# KiCad board OpenPLC_Hardware.kicad_pcb (continued)
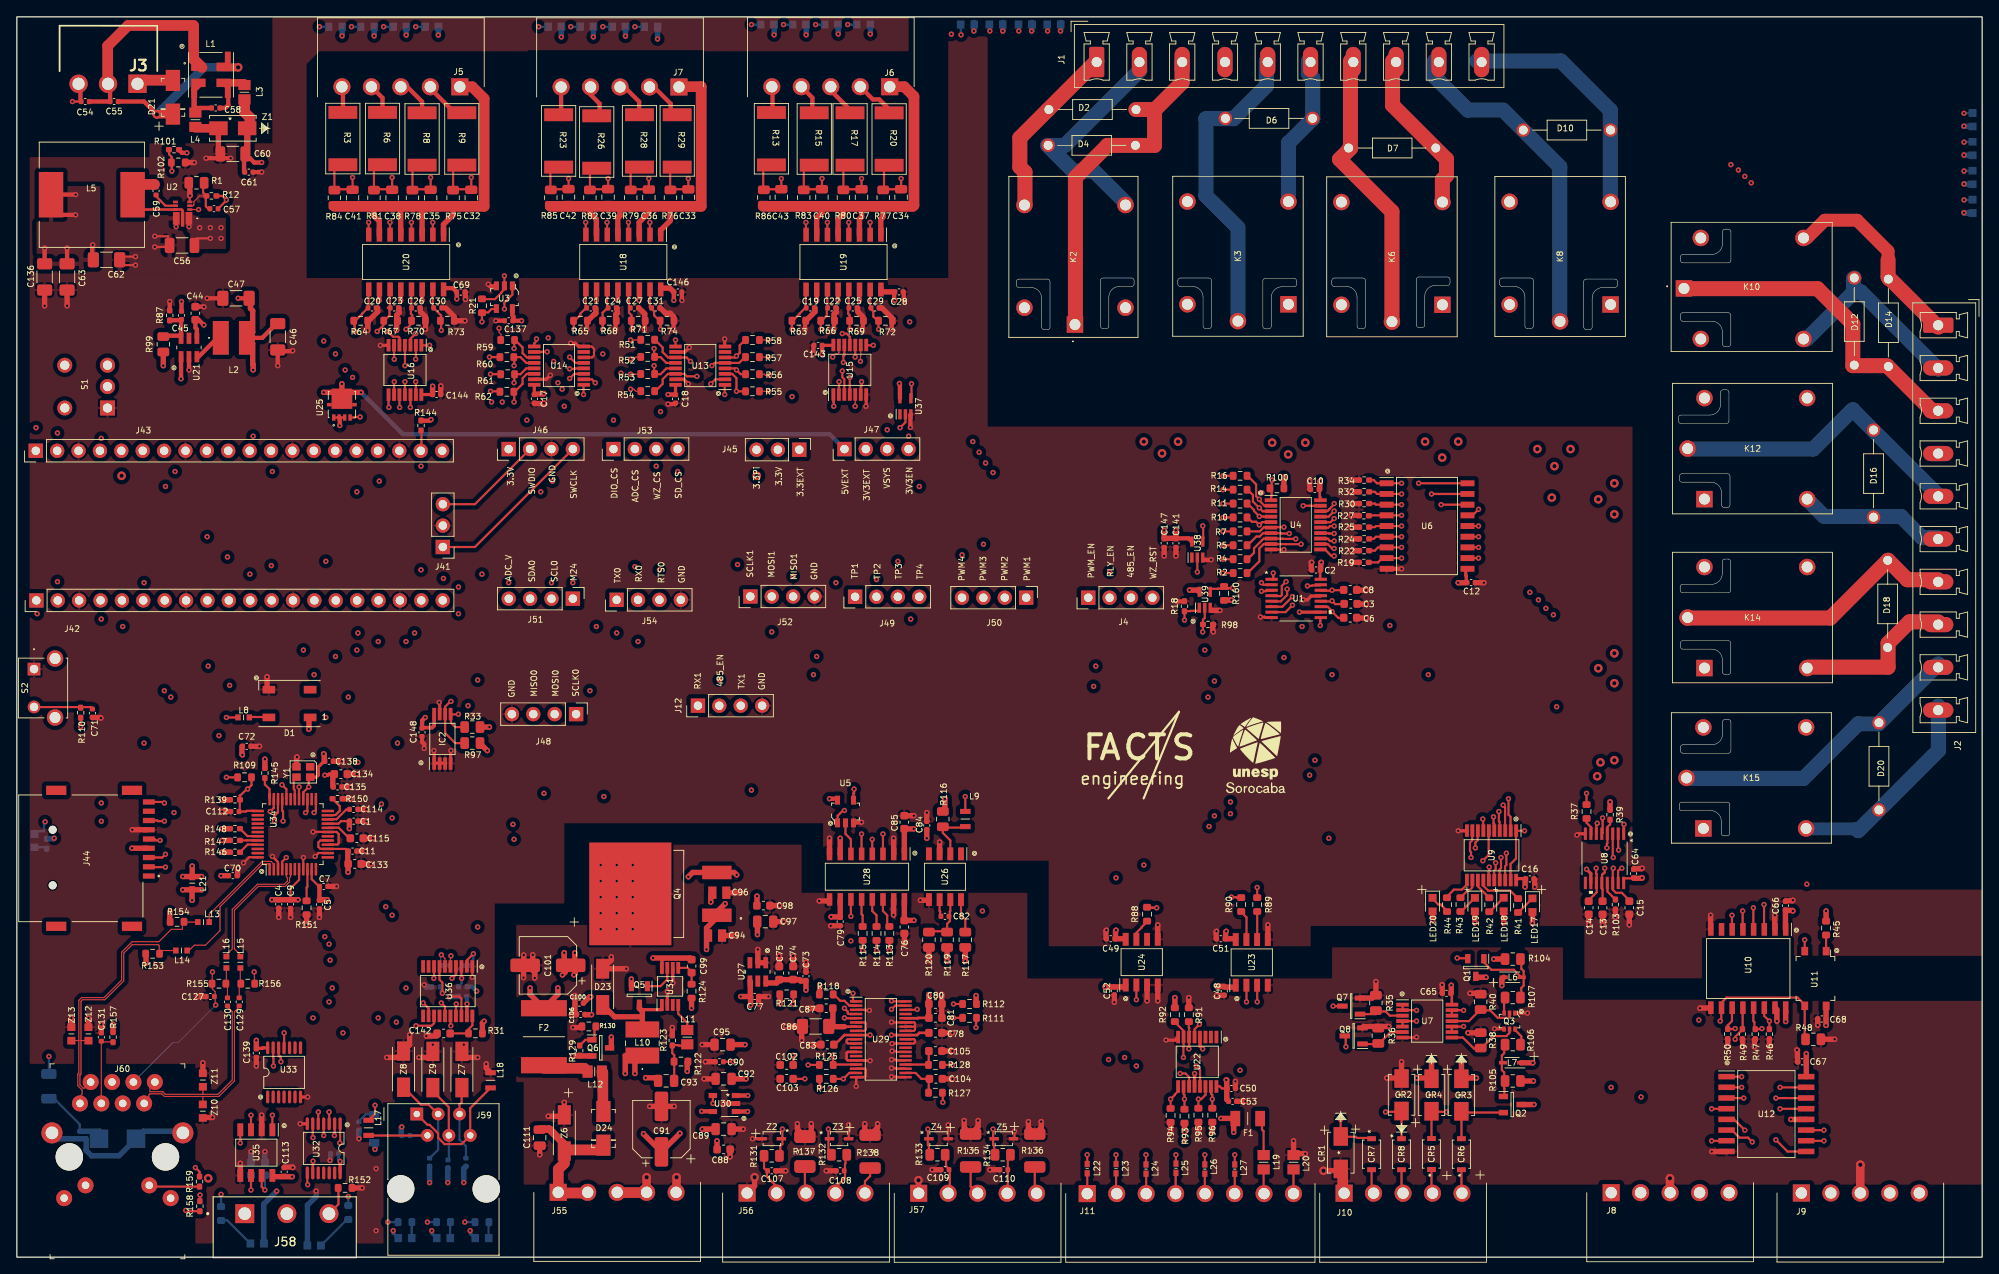
[diagram p0: board, top side]
## Footprints (pads in the part's own frame, mm; a bottom-side part is the same pattern mirrored in y, then rotated) (continued)
SOP65P640X120-20N
  rect 1.475x0.45 smd: 1(-2.938,2.925) 2(-2.938,2.275) 3(-2.938,1.625) 4(-2.938,0.975) 5(-2.938,0.325) 6(-2.938,-0.325) 7(-2.938,-0.975) 8(-2.938,-1.625) 9(-2.938,-2.275) 10(-2.938,-2.925) 11(2.938,-2.925) 12(2.938,-2.275) 13(2.938,-1.625) 14(2.938,-0.975) 15(2.938,-0.325) 16(2.938,0.325) 17(2.938,0.975) 18(2.938,1.625) 19(2.938,2.275) 20(2.938,2.925)
SOT65P210X110-5N
  rect 1.2x0.4 smd: 1(-0.95,0.65) 2(-0.95,0) 3(-0.95,-0.65) 4(0.95,-0.65) 5(0.95,0.65)
SOT95P237X112-3N
  rect 1.2x0.6 smd: 1(-1.1,0.95) 2(-1.1,-0.95) 3(1.1,0)
SOT95P280X100-6N
  rect 1.321x0.559 smd: 1(-1.092,0.94) 2(-1.092,0) 3(-1.092,-0.94) 4(1.092,-0.94) 5(1.092,0) 6(1.092,0.94)
SOT96P237X111-3N
  rect 1.25x0.6 smd: 1(-1.05,0.955) 2(-1.05,-0.955) 3(1.05,0)
SOT96P240X100-3N
  rect 1.1x0.65 smd: 1(-1.05,0.96) 2(-1.05,-0.96) 3(1.05,0)
SOT96P240X110-3N
  rect 1.1x0.65 smd: 1(-1.05,0.96) 2(-1.05,-0.96) 3(1.05,0)
SOT-363
  rect 0.42x0.6 smd: 1(-0.65,-0.95) 2(0,-0.95) 3(0.65,-0.95) 4(0.65,0.95) 5(0,0.95) 6(-0.65,0.95)
SOT-753
  rect 0.6x1.05 smd: 1(-0.95,-1.35) 2(0,-1.35) 3(0.95,-1.35) 4(0.95,1.35) 5(-0.95,1.35)
SP4022-01FTG-C
  rect 1.118x0.406 smd: 1(-1.143,0) 2(1.143,0)
TE_796644-3
  rect 2.25x2.25 hole 1.5: 1(-4.75,4)
  round 2.25 hole 1.5: 2(0.25,4) 3(5.25,4)
TL1105RF250Q
  rect 1.5x1.5 hole 1: 1(0,0)
  round 1.5 hole 1: 2(4.5,0)
  round 1.95 hole 1.3: MH1(-1.25,2.5) MH2(5.75,2.5)
Toggle_Switch_200MSP2T3B2M6QE
  rect 1.778x1.778 hole 1.092: 1(0,0)
  round 1.778 hole 1.092: 2(2.54,0) 3(5.08,0) 4(0,5.08) 4(5.08,5.08)
TRANS_STL9P3LLH6
  rect 0.75x0.4 smd: 1(-1.525,0.975) 2(-1.525,0.325) 3(-1.525,-0.325) 4(-1.525,-0.975)
  rect 2.4x2.45 smd: 5(0.7,0)
  rect 0.4x0.53 smd: 5_1(0,1.49) 5_2(0,-1.49)
VLS4015CX100MH
  rect 1.9x4 smd: 1(-1.55,0) 2(1.55,0)
VLS4020CX
  rect 1.9x4 smd: 1(-1.55,0) 2(1.55,0)
WF25P302JTL
  rect 1.524x3.429 smd: 1(-2.985,0) 2(3.239,0)

## Nets
+3.3V: C2.1 C10.1 C16.1 C17.1 C18.1 C28.2 C49.1 C51.1 C64.1 C66.1 C69.2 C70.1 C72.1 C84.1 C85.1 C113.1 C117.1 C118.1 C134.1 C135.1 C137.2 C138.2 C139.1 C140.1 C141.1 C143.1 C144.1 C146.1 C147.1 C148.1 D1.1 IC2.8 J44.P4 J45.2 J46.1 J60.L2 J60.L4 L21.1 LED2.2 LED3.2 LED6.2 LED8.2 LED10.2 LED11.2 LED14.2 LED15.2 LED17.2 LED18.2 LED19.2 LED20.2 LED21.2 LED22.2 LED23.2 LED24.2 LED25.2 LED26.2 LED27.2 LED28.2 LED29.2 LED30.2 LED31.2 LED32.2 LED35.1 R31.1 R33.1 R39.1 R45.1 R97.1 R100.2 R108.1 R116.1 R139.1 R144.1 R145.1 R146.1 R147.1 R148.1 R160.2 S1.3 U1.10 U1.16 U3.5 U4.20 U5.5 U8.10 U8.16 U9.20 U10.1 U13.16 U14.16 U15.14 U16.14 U18.10 U18.12 U18.14 U18.16 U19.10 U19.12 U19.14 U19.16 U20.10 U20.12 U20.14 U20.16 U23.8 U24.8 U28.1 U28.7 U32.14 U33.14 U34.28 U35.8 U36.19 U37.5 U38.5 U39.5 Y1.4
+3.3V_EXT: C45.1 C46.1 C47.1 J45.1 J47.2 L2.2 R99.1
+3.3VA: C76.1 C79.1 C80.1 C81.1 C88.1 C89.1 R112.1 R118.1 R121.1 U28.10 U28.16 U29.34 U30.5
+5V_EXT: C44.1 C57.2 C62.1 C63.1 C136.1 D25.2 J47.1 L5.2 R12.2 U21.1 U21.4 U25.5 U25.5_1 U25.5_2
+5VA: C48.1 C50.1 C52.1 C53.1 C65.1 C67.1 C68.1 C77.1 C78.1 C83.1 C96.1 C97.1 C98.1 F1.1 Q4.3 R92.2 R93.2 R96.2 U7.14 U10.16 U11.4 U12.12 U12.16 U22.4 U22.12 U22.16 U23.1 U24.1 U27.4 U29.9 U29.30
+24V: C12.1 C56.1 C60.1 C61.1 K2.1 K3.1 K6.1 K8.1 K10.1 K12.1 K14.1 K15.1 L3.2 R101.1 U2.1 U6.10 Z1.1
+24VI: C91.1 C92.1 C93.1 C94.1 C95.1 CR3.1 CR4.1 F2.1 L6.1 L7.1 L10.1 Q1.3 Q2.3 Q4.1 Q6.2 R104.1 R105.1 R117.2 R119.1 R122.2 R129.1 U30.1 U30.3
AVDD: C1.1 C4.1 C5.1 C7.1 C9.1 C11.1 C133.1 L21.2 R153.2 R154.2 R157.1 U34.4 U34.8 U34.11 U34.15 U34.17 U34.21
GND: C1.2 C2.2 C3.1 C4.2 C5.2 C6.1 C7.2 C8.1 C9.2 C10.2 C11.2 C12.2 C13.1 C14.1 C15.1 C16.2 C17.2 C18.2 C19.2 C20.2 C21.2 C22.2 C23.2 C24.2 C25.2 C26.2 C27.2 C28.1 C29.2 C30.2 C31.2 C44.2 C46.2 C47.2 C49.2 C51.2 C56.2 C60.2 C61.2 C62.2 C63.2 C64.2 C66.2 C69.1 C70.2 C71.2 C72.2 C84.2 C85.2 C112.2 C113.2 C114.2 C115.2 C116.1 C118.2 C121.2 C122.2 C123.2 C124.2 C125.2 C126.2 C127.2 C128.2 C131.2 C133.2 C134.2 C135.2 C136.2 C137.1 C138.1 C139.2 C140.2 C141.2 C142.1 C143.2 C144.2 C146.2 C147.2 C148.2 D1.3 IC2.1 IC2.2 IC2.3 IC2.4 IC2.7 J12.4 J41.2 J42.3 J42.8 J42.13 J42.18 J43.3 J43.8 J43.13 J43.18 J44.P6 J46.3 J48.4 J52.4 J54.4 L4.2 L18.2 LED34.1 LED36.1 LED37.1 LED38.1 R1.2 R18.2 R19.2 R22.2 R24.2 R25.2 R27.2 R30.2 R32.2 R34.2 R63.2 R64.2 R65.2 R66.2 R67.2 R68.2 R69.2 R70.2 R71.2 R72.2 R73.2 R74.2 R87.2 R98.2 R102.2 R103.1 R150.1 R151.2 R152.1 S1.1 S2.1 U1.8 U1.13 U2.4 U2.8 U3.3 U4.10 U5.3 U6.9 U8.8 U9.10 U10.2 U10.8 U13.8 U13.10 U13.15 U14.6 U14.8 U14.15 U15.7 U16.7 U21.2 U23.5 U24.5 U26.3 U28.2 U28.8 U32.7 U33.7 U34.3 U34.9 U34.14 U34.16 U34.19 U34.29 U34.48 U35.2 U35.5 U36.1 U36.18 U37.3 U38.3 U39.3 Y1.2 Z1.2 Z7.2 Z8.2 Z9.2 Z10.1 Z11.1 Z12.1 Z13.1
GNDA: C48.2 C50.2 C52.2 C53.2 C65.2 C67.2 C68.2 C73.2 C74.2 C75.2 C76.2 C77.2 C78.2 C79.2 C80.2 C81.2 C83.2 C86.1 C87.1 C88.2 C89.2 C90.2 C91.2 C92.2 C94.2 C95.2 C96.2 C97.2 C98.2 C100.2 C101.2 C102.2 C103.2 C104.2 C105.2 C106.2 C107.2 C108.2 C109.2 C110.2 C111.2 CR1.2 CR2.2 D23.2 J8.3 J9.3 J10.1 J55.3 J55.4 J55.5 J56.1 J57.1 L20.1 Q3.1 Q3.4 Q4.2 Q7.2 Q8.2 R35.1 R36.1 R38.1 R40.1 R46.1 R47.1 R48.2 R49.1 R50.1 R91.2 R94.2 R95.2 R120.2 R123.2 R130.2 R135.1 R136.1 R137.1 R138.1 U7.7 U10.9 U10.15 U12.8 U22.8 U23.4 U24.3 U24.4 U26.5 U27.1 U27.2 U28.9 U28.15 U29.3 U29.6 U29.8 U29.10 U29.11 U29.13 U29.15 U29.17 U29.19 U29.20 U29.22 U29.24 U29.26 U29.28 U29.29 U29.31 U29.32 U29.33 U30.2 U31.2 U31.6 Z2.2 Z3.2 Z4.2 Z5.2 Z6.1
GNDPWR: C54.2 C55.2 J3.2 L1.1
4_095VREF: C73.1 C74.1 C75.1 U27.6 U29.5
24PRESENT: R101.2 R102.1 U2.2
A: R90.1 U23.7
ACTLED: R158.2 U34.27
AD_MISO: R111.1 U28.11
AD_MOSI: R113.1 U29.1
AD_SCLK: R114.1 U29.37
ADC_VREF: J43.6 J51.4
AIN_CH1+: C102.1 R125.1 U29.16
AIN_CH2+: C103.1 R126.1 U29.18
AIN_CH3+: C104.1 R127.1 U29.21
AIN_CH4+: C105.1 R128.1 U29.23
B: R89.1 U23.6
DI_SDO0: U13.9 U14.10
DOUT_SD0: C15.2 U1.9 U8.14
ENABLE_RS485: J4.3 J12.2 U8.6 U33.13 U35.3
ESD_DUMP: C54.1 C132.2 J3.3
I2C0_SCL: IC2.6 J42.2 J51.2 R97.2
I2C0_SDA: IC2.5 J42.1 J51.3 R33.2
LINKLED: R159.2 U34.25
PWM1: J42.9 J50.1 U9.2
PWM2: J42.10 J50.2 U9.3
PWM3: J43.9 J50.3 U9.4
PWM4: J43.10 J50.4 U9.5
PWM_OUT1: R46.2 U7.1 U7.2 U10.14 U12.7
PWM_OUT2: R47.2 U7.4 U7.5 U10.13 U12.9
PWM_OUT3: R49.2 U7.9 U7.10 U10.12 U12.1
PWM_OUT4: R50.2 U7.12 U7.13 U10.11 U12.15
RUN: J43.11 R110.2
RUN_SWITCH: S1.2 U14.4
RXN: L16.2 U34.5
RXP: L15.2 U34.6
S1: R51.2 U13.11 U15.10
S2: R52.2 U13.12 U15.8
S3: R53.2 U13.13 U15.4
S4: R54.2 U13.14 U15.2
S5: R55.2 U13.3 U15.6
S6: R56.2 U13.4 U15.12
S7: R57.2 U13.5 U16.4
S8: R58.2 U13.6 U16.2
S9: R59.2 U14.11 U16.6
S10: R60.2 U14.12 U16.8
S11: R61.2 U14.13 U16.10
S12: R62.2 U14.14 U16.12
SD_CD: J44.P9 LED33.1 U14.5
SNK1: CR1.1 CR7.1 Q7.3
SNK2: CR2.1 CR8.1 Q8.3
SPI0_CLK: J43.17 J44.P5 J48.1 U34.33
SPI0_MISO: J43.20 J44.P7 J48.3 U34.34
SPI0_MOSI: J43.16 J44.P3 J48.2 U34.35
SPI1_CLK: C6.2 C14.2 J42.14 J52.1 U1.11 U8.11 U13.2 U14.2 U28.4
SPI1_MISO: J42.11 J52.3 R21.2 U3.4 U5.4
SPI1_MOSI: C8.2 J42.15 J52.2 U1.14 U28.3
SRC3: CR4.2 CR5.2 Q1.2
SRC4: CR3.2 CR6.2 Q2.2
SWCLK: J41.1 J46.4
SWDIO: J41.3 J46.2
TP1: J42.4 J49.1 R90.2
TP2: J42.20 J49.2 R89.2
TP3: J43.15 J49.3 L8.1 R109.1
TP4: J43.7 J49.4 R88.2
TXN: L14.2 U34.1
TXP: L13.2 U34.2
UART0_RTS: J42.19 J54.3 U32.1 U36.13
UART0_RX: J42.17 J54.2 U32.5 U36.15
UART0_TX: J42.16 J54.1 U32.3 U36.12
UART1_RX: J12.1 J42.7 R141.1 U33.11
UART1_TX: J12.3 J42.6 U32.9 U35.4
Z: R88.1 U24.7
~{AD_SSEL}: R112.2 R115.1 U29.38
~{ADC_CS}: J42.12 J53.2 R98.1 U5.1 U28.5 U39.2
~{DIO_CS}: C3.2 C13.2 J42.5 J53.1 R18.1 U1.12 U3.1 U8.12 U37.2 U39.1
~{MISSING_24V}: J51.1 L9.1 U14.3
~{RELAY_OE}: J4.2 U8.5 U38.2
~{SDCARD_CS}: J43.12 J44.P2 J53.4
~{WIZNET_CS}: J43.19 J53.3 R144.2 U34.32
~{WIZNET_INT}: R145.2 U34.36
~{WIZNET_RESET}: C112.1 J4.4 J43.14 R37.2 R109.2 R139.2 U34.37
Net-(C19-Pad1): C19.1 R63.1 U15.5 U19.9
Net-(C20-Pad1): C20.1 R64.1 U16.5 U20.9
Net-(C21-Pad1): C21.1 R65.1 U15.11 U18.9
Net-(C22-Pad1): C22.1 R66.1 U15.13 U19.11
Net-(C23-Pad1): C23.1 R67.1 U16.9 U20.11
Net-(C24-Pad1): C24.1 R68.1 U15.9 U18.11
Net-(C25-Pad1): C25.1 R69.1 U16.3 U19.13
Net-(C26-Pad1): C26.1 R70.1 U16.11 U20.13
Net-(C27-Pad1): C27.1 R71.1 U15.3 U18.13
Net-(C29-Pad1): C29.1 R72.1 U16.1 U19.15
Net-(C30-Pad1): C30.1 R73.1 U16.13 U20.15
Net-(C31-Pad1): C31.1 R74.1 U15.1 U18.15
Net-(C32-Pad1): C32.1 C35.1 C38.1 C41.1 J5.1 R75.1 R78.1 R81.1 R84.1 U20.1 U20.3 U20.5 U20.7
Net-(C32-Pad2): C32.2 R9.2 R75.2 U20.2
Net-(C33-Pad1): C33.1 C36.1 C39.1 C42.1 J7.1 R76.1 R79.1 R82.1 R85.1 U18.1 U18.3 U18.5 U18.7
Net-(C33-Pad2): C33.2 R29.2 R76.2 U18.2
Net-(C34-Pad1): C34.1 C37.1 C40.1 C43.1 J6.1 R77.1 R80.1 R83.1 R86.1 U19.1 U19.3 U19.5 U19.7
Net-(C34-Pad2): C34.2 R20.2 R77.2 U19.2
Net-(C35-Pad2): C35.2 R8.2 R78.2 U20.4
Net-(C36-Pad2): C36.2 R28.2 R79.2 U18.4
Net-(C37-Pad2): C37.2 R17.2 R80.2 U19.4
Net-(C38-Pad2): C38.2 R6.2 R81.2 U20.6
Net-(C39-Pad2): C39.2 R26.2 R82.2 U18.6
Net-(C40-Pad2): C40.2 R15.2 R83.2 U19.6
Net-(C41-Pad2): C41.2 R3.2 R84.2 U20.8
Net-(C42-Pad2): C42.2 R23.2 R85.2 U18.8
Net-(C43-Pad2): C43.2 R13.2 R86.2 U19.8
Net-(C45-Pad2): C45.2 R87.1 R99.2 U21.6
Net-(C55-Pad1): C55.1 D21.K L1.4
Net-(C57-Pad1): C57.1 R1.1 R12.1 U2.3
Net-(C58-Pad1): C58.1 L1.3 L3.1
Net-(C58-Pad2): C58.2 L1.2 L4.1
Net-(C59-Pad1): C59.1 U2.6
Net-(C59-Pad2): C59.2 L5.1 U2.7 U2.9
Net-(C71-Pad1): C71.1 R110.1 S2.2
Net-(C82-Pad1): C82.1 U26.6
Net-(C82-Pad2): C82.2 R119.2 R120.1 U26.7
Net-(C86-Pad2): C86.2 C87.2 U29.7
Net-(C90-Pad1): C90.1 U30.4
Net-(C93-Pad2): C93.2 L11.1 R122.1 R123.1
Net-(C99-Pad2): C99.2 R124.2 U31.5
Net-(C100-Pad1): C99.1 C100.1 C101.1 C106.1 Q5.2 Q6.3 R124.1 U31.8
Net-(C107-Pad1): C107.1 J56.2 R131.2
Net-(C108-Pad1): C108.1 J56.4 R132.2
Net-(C109-Pad1): C109.1 J57.2 R133.2
Net-(C110-Pad1): C110.1 J57.4 R134.2
Net-(C111-Pad1): C111.1 D24.K J55.1 J55.2 Z6.2
Net-(C114-Pad1): C114.1 U34.22
Net-(C115-Pad1): C115.1 U34.20
Net-(C116-Pad2): C116.2 U36.7
Net-(C117-Pad2): C117.2 U36.3
Net-(C119-Pad1): C119.1 U36.5
Net-(C119-Pad2): C119.2 U36.6
Net-(C120-Pad1): C120.1 U36.2
Net-(C120-Pad2): C120.2 U36.4
Net-(C121-Pad1): C121.1 J58.1 U35.6
Net-(C122-Pad1): C122.1 J59.5 U36.17 Z7.1
Net-(C123-Pad1): C123.1 J58.2 U35.7
Net-(C124-Pad1): C124.1 J59.3 U36.16 Z8.1
Net-(C125-Pad1): C125.1 J59.4 U36.8 Z9.1
Net-(C126-Pad1): C126.1 D25.1 L17.2
Net-(C127-Pad1): C127.1 J60.R6 R155.2 R156.2
Net-(C128-Pad1): C128.1 J59.2 L17.1
Net-(C129-Pad1): C129.1 J60.R7 Z10.2
Net-(C129-Pad2): C129.2 L15.1 R156.1
Net-(C130-Pad1): C130.1 J60.R8 Z11.2
Net-(C130-Pad2): C130.2 L16.1 R155.1
Net-(C131-Pad1): C131.1 J60.R3 R157.2
Net-(C132-Pad1): C132.1 Z14.1
Net-(C142-Pad2): C142.2 R31.2 U36.20
Net-(CR5-Pad1): CR5.1 J10.4
Net-(CR6-Pad1): CR6.1 J10.5
Net-(CR7-Pad2): CR7.2 J10.2
Net-(CR8-Pad2): CR8.2 J10.3
Net-(D1-Pad4): D1.4 L8.2
Net-(D2-Pad1): D2.1 J1.1 K2.3
Net-(D2-Pad2): D2.2 D4.2 J1.3 K2.5
Net-(D4-Pad1): D4.1 J1.2 K2.2
Net-(D6-Pad1): D6.1 J1.6 K3.2
Net-(D6-Pad2): D6.2 J1.5 K3.5
Net-(D7-Pad1): D7.1 J1.8 K6.2
Net-(D7-Pad2): D7.2 J1.7 K6.5
Net-(D10-Pad1): D10.1 J1.10 K8.2
Net-(D10-Pad2): D10.2 J1.9 K8.5
Net-(D12-Pad1): D12.1 J2.2 K10.2
Net-(D12-Pad2): D12.2 D14.2 J2.3 K10.5
Net-(D14-Pad1): D14.1 J2.1 K10.3
Net-(D16-Pad1): D16.1 J2.6 K12.2
Net-(D16-Pad2): D16.2 J2.5 K12.5
Net-(D18-Pad1): D18.1 J2.8 K14.2
Net-(D18-Pad2): D18.2 J2.7 K14.5
Net-(D20-Pad1): D20.1 J2.10 K15.2
Net-(D20-Pad2): D20.2 J2.9 K15.5
Net-(D21-PadA): D21.A J3.1
Net-(D23-Pad1): D23.1 L10.2 Q5.3 U31.1
Net-(D24-PadA): D24.A L12.2
Net-(F1-Pad2): F1.2 L19.1
Net-(F2-Pad2): F2.2 L12.1
Net-(J4-Pad1): J4.1 R39.2 U8.4 U9.1 U9.19 U11.2
Net-(J5-Pad2): J5.2 R9.1
Net-(J5-Pad3): J5.3 R8.1
Net-(J5-Pad4): J5.4 R6.1
Net-(J5-Pad5): J5.5 R3.1
Net-(J6-Pad2): J6.2 R20.1
Net-(J6-Pad3): J6.3 R17.1
Net-(J6-Pad4): J6.4 R15.1
Net-(J6-Pad5): J6.5 R13.1
Net-(J7-Pad2): J7.2 R29.1
Net-(J7-Pad3): J7.3 R28.1
Net-(J7-Pad4): J7.4 R26.1
Net-(J7-Pad5): J7.5 R23.1
Net-(J8-Pad1): J8.1 U12.2
Net-(J8-Pad2): J8.2 U12.3
Net-(J8-Pad4): J8.4 U12.14
Net-(J8-Pad5): J8.5 U12.13
Net-(J9-Pad1): J9.1 U12.6
Net-(J9-Pad2): J9.2 U12.5
Net-(J9-Pad4): J9.4 U12.10
Net-(J9-Pad5): J9.5 U12.11
Net-(J11-Pad1): J11.1 L22.2
Net-(J11-Pad2): J11.2 L23.2
Net-(J11-Pad3): J11.3 L24.2
Net-(J11-Pad4): J11.4 L25.2
Net-(J11-Pad5): J11.5 L26.2
Net-(J11-Pad6): J11.6 L27.2
Net-(J11-Pad7): J11.7 L19.2
Net-(J11-Pad8): J11.8 L20.2
Net-(J43-Pad1): J43.1 U25.4
Net-(J43-Pad2): J43.2 J47.3 U25.1 U25.2 U25.3
Net-(J43-Pad4): J43.4 J47.4
Net-(J43-Pad5): J43.5 J45.3
Net-(J56-Pad3): J56.3 R137.2
Net-(J56-Pad5): J56.5 R138.2
Net-(J57-Pad3): J57.3 R135.2
Net-(J57-Pad5): J57.5 R136.2
Net-(J58-Pad3): J58.3 R152.2
Net-(J59-Pad1): J59.1 J59.6 L18.1
Net-(J60-PadL1): J60.L1 R159.1
Net-(J60-PadL3): J60.L3 R158.1
Net-(J60-PadR1): J60.R1 L13.1 R154.1 Z13.2
Net-(J60-PadR2): J60.R2 L14.1 R153.1 Z12.2
Net-(J60-PadSH): J60.SH Z14.2
Net-(K2-Pad4): K2.4 U6.18
Net-(K3-Pad4): K3.4 U6.17
Net-(K6-Pad4): K6.4 U6.16
Net-(K8-Pad4): K8.4 U6.15
Net-(K10-Pad4): K10.4 U6.14
Net-(K12-Pad4): K12.4 U6.13
Net-(K14-Pad4): K14.4 U6.12
Net-(K15-Pad4): K15.4 U6.11
Net-(L2-Pad1): L2.1 U21.3
Net-(L6-Pad2): L6.2 Q1.1 R104.2 R107.2
Net-(L7-Pad2): L7.2 Q2.1 R105.2 R106.2
Net-(L9-Pad2): L9.2 R116.2 U26.2
Net-(L11-Pad2): L11.2 U31.4
Net-(L22-Pad1): L22.1 R91.1 U22.6
Net-(L23-Pad1): L23.1 R92.1 U22.7
Net-(L24-Pad1): L24.1 R93.1 U22.10
Net-(L25-Pad1): L25.1 R94.1 U22.9
Net-(L26-Pad1): L26.1 R95.1 U22.14
Net-(L27-Pad1): L27.1 R96.1 U22.15
Net-(LED2-Pad1): LED2.1 R2.2
Net-(LED3-Pad1): LED3.1 R4.2
Net-(LED6-Pad1): LED6.1 R5.2
Net-(LED8-Pad1): LED8.1 R7.2
Net-(LED10-Pad1): LED10.1 R10.2
Net-(LED11-Pad1): LED11.1 R11.2
Net-(LED14-Pad1): LED14.1 R14.2
Net-(LED15-Pad1): LED15.1 R16.2
Net-(LED17-Pad1): LED17.1 R41.1
Net-(LED18-Pad1): LED18.1 R42.1
Net-(LED19-Pad1): LED19.1 R43.1
Net-(LED20-Pad1): LED20.1 R44.1
Net-(LED21-Pad1): LED21.1 R51.1
Net-(LED22-Pad1): LED22.1 R52.1
Net-(LED23-Pad1): LED23.1 R53.1
Net-(LED24-Pad1): LED24.1 R54.1
Net-(LED25-Pad1): LED25.1 R55.1
Net-(LED26-Pad1): LED26.1 R56.1
Net-(LED27-Pad1): LED27.1 R57.1
Net-(LED28-Pad1): LED28.1 R58.1
Net-(LED29-Pad1): LED29.1 R59.1
Net-(LED30-Pad1): LED30.1 R60.1
Net-(LED31-Pad1): LED31.1 R61.1
Net-(LED32-Pad1): LED32.1 R62.1
Net-(LED33-Pad2): LED33.2 R108.2
Net-(LED34-Pad2): LED34.2 R140.2
Net-(LED35-Pad2): LED35.2 R141.2
Net-(LED36-Pad2): LED36.2 R142.2
Net-(LED37-Pad2): LED37.2 R143.2
Net-(LED38-Pad2): LED38.2 R149.2
Net-(Q3-Pad2): Q3.2 R40.2 U7.11
Net-(Q3-Pad3): Q3.3 R107.1
Net-(Q3-Pad5): Q3.5 R38.2 U7.8
Net-(Q3-Pad6): Q3.6 R106.1
Net-(Q5-Pad1): Q5.1 U31.7
Net-(Q6-Pad1): Q6.1 R129.2 R130.1
Net-(Q7-Pad1): Q7.1 R35.2 U7.3
Net-(Q8-Pad1): Q8.1 R36.2 U7.6
Net-(R2-Pad1): R2.1 U1.7 U4.9
Net-(R4-Pad1): R4.1 U1.6 U4.8
Net-(R5-Pad1): R5.1 U1.5 U4.7
Net-(R7-Pad1): R7.1 U1.4 U4.6
Net-(R10-Pad1): R10.1 U1.3 U4.5
Net-(R11-Pad1): R11.1 U1.2 U4.4
Net-(R14-Pad1): R14.1 U1.1 U4.3
Net-(R16-Pad1): R16.1 U1.15 U4.2
Net-(R19-Pad1): R19.1 U4.11 U6.8
Net-(R21-Pad1): R21.1 U3.2 U14.9
Net-(R22-Pad1): R22.1 U4.12 U6.7
Net-(R24-Pad1): R24.1 U4.13 U6.6
Net-(R25-Pad1): R25.1 U4.14 U6.5
Net-(R27-Pad1): R27.1 U4.15 U6.4
Net-(R30-Pad1): R30.1 U4.16 U6.3
Net-(R32-Pad1): R32.1 U4.17 U6.2
Net-(R34-Pad1): R34.1 U4.18 U6.1
Net-(R37-Pad1): R37.1 U8.7
Net-(R41-Pad2): R41.2 U9.14
Net-(R42-Pad2): R42.2 U9.13
Net-(R43-Pad2): R43.2 U9.12
Net-(R44-Pad2): R44.2 U9.11
Net-(R45-Pad2): R45.2 U11.1
Net-(R48-Pad1): R48.1 U10.10 U11.3 U12.4
Net-(R100-Pad1): R100.1 U4.1 U38.4
Net-(R103-Pad2): R103.2 U8.13
Net-(R111-Pad2): R111.2 U29.36
Net-(R113-Pad2): R113.2 U28.14
Net-(R114-Pad2): R114.2 U28.13
Net-(R115-Pad2): R115.2 U28.12
Net-(R117-Pad1): R117.1 U26.8
Net-(R118-Pad2): R118.2 U29.2
Net-(R121-Pad2): R121.2 U29.4
Net-(R125-Pad2): R125.2 R131.1 Z2.1
Net-(R126-Pad2): R126.2 R132.1 Z3.1
Net-(R127-Pad2): R127.2 R133.1 Z4.1
Net-(R128-Pad2): R128.2 R134.1 Z5.1
Net-(R140-Pad1): R140.1 U32.8
Net-(R142-Pad1): R142.1 U32.6
Net-(R143-Pad1): R143.1 U32.4
Net-(R146-Pad2): R146.2 U34.45
Net-(R147-Pad2): R147.2 U34.44
Net-(R148-Pad2): R148.2 U34.43
Net-(R149-Pad1): R149.1 U32.2
Net-(R150-Pad2): R150.2 U34.23
Net-(R151-Pad1): R151.1 U34.10
Net-(R160-Pad1): R160.1 U4.19 U39.4
Net-(U8-Pad1): U8.1 U9.7
Net-(U8-Pad2): U8.2 U9.8
Net-(U8-Pad3): U8.3 U9.9
Net-(U8-Pad15): U8.15 U9.6
Net-(U10-Pad3): U9.18 U10.3
Net-(U10-Pad4): U9.17 U10.4
Net-(U10-Pad5): U9.16 U10.5
Net-(U10-Pad6): U9.15 U10.6
Net-(U13-Pad1): U13.1 U14.1 U37.4
Net-(U22-Pad5): U22.5 U23.2
Net-(U22-Pad11): U22.11 U23.3
Net-(U22-Pad13): U22.13 U24.2
Net-(U28-Pad6): U5.2 U28.6
Net-(U33-Pad12): U33.12 U35.1
Net-(U34-Pad30): U34.30 Y1.3

Pads without a net: D1 2; J1 4; J2 4; J44 MP1 MP2 MP3 MP4 P1 P8; J60 R4 R5; K3 3; K6 3; K8 3; K12 3; K14 3; K15 3; S1 4; S2 MH1 MH2; U2 5; U8 9; U10 7; U13 7; U14 7; U21 5; U22 1 2 3; U24 6; U26 1 4; U27 3 5; U29 12 14 25 27 35; U31 3; U32 10 11 12 13; U33 1 2 3 4 5 6 8 9 10; U34 7 12 13 18 24 26 31 38 39 40 41 42 46 47; U36 9 10 11 14; U37 1; U38 1; Y1 1

## Via types
v1: diameter 0.635, hole 0.305, Top to Bottom, 992 vias
v2: diameter 1.016, hole 0.508, Top to Bottom, 34 vias

## Routing (per net, layer and track width the routed paths; a pad name or vN(x,y) marks a point on that pad's centre or on a via; arc(x,y) is an arc through that point)
+3.3V: length 395.2
  Top w0.254: 190.81,44.54 190.81,44.99 192.02,44.99 ; 34.01,54.51 34.01,55.22 34.03,55.22 v1(34.67,55.85) 34.67,56.84 34.85,57.02
  Top w0.305: C2.1 154.79,80.6 154.87,80.51 ; 154.75,91.16 154.75,90.33 154.81,90.27 154.81,89.89
  Top w0.381: 179.13,44.93 179.16,44.96 178.06,44.96 ; 28.45,24.8 29.14,24.8 29.21,24.86 29.8,24.86 ; v1(36.57,57.25) 36.95,57.25 37.08,57.37 37.69,57.37 ; 61.47,102.52 61.47,103.61 ; 78.23,103.61 78.23,102.59 78.1,102.46 ; 96.98,108.3 95.64,108.3 C143.1 ; v1(152.33,76.62) 154.82,76.62 ; v1(186.43,46.07) 186.94,45.56 U8.10 ; 48.05,102.46 C144.1 ; 34.85,57.02 35.56,57.02 35.81,57.27 35.81,58.23 36.48,58.9 36.51,58.9 ; 53.45,28.67 53.45,30.06 v1(53.46,30.07) ; v1(38.4,11.38) U32.14
  Top w0.432: 49.57,64.47 49.57,63.13 49.34,62.9 48.13,62.9
  Top w0.508: 50.67,115.1 51.78,115.1 C69.2 v1(52.25,113.82) ; v1(43.05,113.64) 43.05,115.1 ; v1(94.99,113.64) 94.99,114.94 95.01,114.95 ; v1(104.26,113.64) 104.2,113.7 104.2,114.65 ; v1(48.13,113.64) 48.13,115.1 ; v1(73.91,113.64) 73.91,115.1 ; v1(100.07,113.64) 100.07,115.1 ; 48,99.35 49.06,99.35 v1(49.19,99.48) ; 48.13,62.9 48.13,63.72 v1(48.51,64.11) ; v1(71.37,113.64) 71.37,115.1 ; v1(97.53,113.64) 97.53,115.1 ; 97.48,54.33 97.48,54.45 v1(96.52,54.45) ; v1(68.83,113.64) 68.83,115.1 ; 137.66,85.38 139.17,85.38 U38.5 ; v1(45.59,113.64) 45.59,115.1 ; v1(78.03,113.65) C146.1 ; 58.85,112.62 58.86,112.61 58.86,111.86 58.99,111.73 58.99,111.22 v1(59.94,111.22) ; v1(95.64,107.24) C143.1 ; 78.23,102.52 78.17,102.46 v1(77.34,102.46) ; v1(104.82,103.77) 104.88,103.71 U37.5
  Top w0.635: U28.7 97.79,47.89 v1(97.79,49.75) ; U39.5 140.24,79.23 v1(139.28,79.23) ; v1(24.38,48.1) 25.33,48.1 ; 36.51,58.9 36.51,59.72 v1(36.45,59.79) ; v1(168.15,39.98) 168.15,41.09 ; v1(55.5,28.02) 55.3,27.81 R31.1 ; 29.46,58.07 v1(29.46,59.15) ; v1(19.71,45.21) 20.82,45.21 ; 20.82,45.21 v1(20.82,46.45) ; 20.82,45.21 v1(21.94,45.21) ; v1(154.81,92.17) 154.75,92.11 154.75,91.16 ; 214.88,39.87 v1(214.88,41.12) ; v1(137.66,86.33) 137.66,85.38 136.27,85.38 v1(136.27,86.33) ; 37.69,57.37 37.53,57.21 37.53,55.85 ; 210.06,38.96 210.06,41.18 210.88,41.18 v1(210.94,41.12) ; v1(24.38,50.9) 25.33,50.9 ; v1(180,39.64) 180.01,39.65 LED17.2 ; v1(24.38,54.33) 25.33,54.33 ; v1(24.25,45.31) 25.08,45.31 ; C146.1 77.57,115.1 76.45,115.1 ; v1(34.67,62.71) 34.7,62.74 34.7,64.16 ; v1(106.52,50.87) 105.41,50.87 105.41,48.05 ; 104.2,114.65 102.61,114.65 102.61,115.1 ; 144.78,37.82 143.57,37.82 143.57,38.64 v1(143.63,38.71) ; v1(24.38,49.5) 25.33,49.5 ; v1(179.13,43.98) 179.13,44.93 ; v1(176.59,39.69) LED18.2 ; 28.45,24.8 v1(28.45,25.75) ; v1(130.55,38.83) 130.49,38.77 130.49,37.82 131.62,37.82 ; 189.23,53.12 v1(189.23,54.07) ; v1(193.04,45.06) 192.97,44.99 192.02,44.99 ; v1(144.27,78.05) 143.42,78.05 R160.2 ; 54.89,62.96 v1(56.13,62.96) ; v1(26.79,59.66) 26.73,59.72 26.73,60.68 ; v1(154.94,82.52) 154.87,82.52 154.87,81.63 ; v1(173.17,39.72) LED19.2 ; v1(62.61,102.59) 62.54,102.52 61.47,102.52 ; v1(150.48,92.63) R100.2 ; v1(13.67,48.57) 15.52,48.57 ; v1(110.23,54.45) 110.23,53.2 R116.1 ; v1(49.38,103.44) C144.1 ; 54.99,61.06 v1(55.88,60.17) ; v1(32.7,9.56) 30.36,9.56 ; v1(108.07,49.75) C84.1
  In2.Cu w0.635: J60.L4 5.62,8.07 7.55,10 16.57,10 16.78,9.79 18.27,9.79 J60.L2 18.27,9.37 v2(22.73,9.37) ; v1(111,145.26) 101.39,145.26 v1(101.37,145.28) 101.34,145.26 97.58,145.26 v1(97.56,145.28) 97.53,145.26 93.82,145.26 v1(93.75,145.19) 93.68,145.26 90.01,145.26 v1(89.94,145.19) 89.76,145 76.4,145 v1(76.1,144.7) 75.79,145 72.31,145 v1(72.29,145.03) 72.26,145 68.55,145 v1(68.48,144.93) 68.4,145 64.74,145 v1(64.67,144.93) 64.47,145.13 50.09,145.13 v1(50.06,145.16) 50.03,145.13 46.28,145.13 v1(46.25,145.16) 46.22,145.13 42.51,145.13 v1(42.44,145.06) 42.37,145.13 38.7,145.13 v1(38.63,145.06) ; v1(113.66,145.64) 114.42,146.4 116.33,146.4 v1(117.09,145.64) 117.85,146.4 119.76,146.4 v1(120.52,145.64) 121.28,146.4 123.19,146.4 v1(123.95,145.64)
  In3.Cu w0.635: v1(113.66,145.64) 112.9,146.4 111.76,146.4 111,145.64 v1(111,145.26) 111,116.05 v1(106.04,111.1) ; v2(182.31,90.21) 192.2,100.11 192.2,120.04 206.5,134.34 v1(231.26,134.34) 232.03,133.57 232.03,131.67 v1(231.26,130.91) 232.03,130.15 232.03,128.24 v1(231.26,127.48) 232.03,126.72 232.03,124.81 v1(231.26,124.05)
  Bottom w0.381: C140.1 38.2,11.58 v1(38.4,11.38)
  Bottom w0.508: v1(54.61,31.59) 54.1,32.1 53.53,32.1 ; C118.1 53.46,30.93 v1(53.46,30.07)
  Bottom w0.635: v1(97.56,145.28) 97.56,146.39 LED26.2 ; v1(123.95,145.64) 123.97,145.64 123.97,146.66 ; v1(117.09,145.64) 117.12,145.64 117.12,146.66 ; v1(38.63,145.06) 38.63,146.15 ; LED27.2 93.75,146.39 v1(93.75,145.19) ; v1(42.44,145.06) 42.44,146.15 ; v1(231.26,127.48) 231.26,127.45 232.28,127.45 ; v1(231.26,134.34) 231.26,134.31 232.28,134.31 ; v1(68.48,144.93) 68.48,146.15 ; 120.55,146.66 120.55,145.64 v1(120.52,145.64) ; 3.55,49.69 4.38,49.69 v1(4.44,49.75) ; v1(46.25,145.16) 46.25,146.15 ; LED25.2 101.37,146.39 v1(101.37,145.28) ; LED28.2 89.94,146.39 v1(89.94,145.19) ; v1(64.67,144.93) 64.67,146.15 ; v1(72.29,145.03) 72.29,146.15 ; v1(231.26,124.05) 231.26,124.02 232.28,124.02 ; v1(113.66,145.64) 113.69,145.64 113.69,146.66 ; v1(76.1,144.7) 76.1,146.15 ; 232.28,130.88 231.29,130.88 v1(231.26,130.91) ; v1(50.06,145.16) 50.06,146.15 ; LED35.1 29.34,6.33 v1(30.86,7.84)
+3.3V_EXT: length 119.3
  Top w0.508: 30.98,111.03 29.14,109.19 L2.2 ; 19.55,112.43 v1(19.55,113.51) ; v1(26.29,113.89) 27.75,113.89
  Top w0.635: v1(17.4,105.89) 17.4,107.41 ; v1(28.06,105.38) 28.06,106.02 28.01,106.07 28.01,108.51 L2.2 28.01,109.88 28.01,112.42 27.75,112.68 27.75,113.89
  In2.Cu w0.635: v1(28.06,97.51) 91.31,97.51 92.96,95.86 94.38,97.28 99.54,97.28 100.84,95.98 ; v1(26.29,113.89) 24.51,112.11 20.95,112.11 v1(19.55,113.51) ; v1(28.06,105.38) 24.51,105.38 23.75,106.14 18.67,106.14 18.41,105.89 v1(17.4,105.89)
  In3.Cu w0.635: v1(28.06,97.51) v1(28.06,105.38)
+3.3VA: length 19.2
  Top w0.305: 105.51,28.38 107.02,28.38 107.06,28.42 108.3,28.42
  Top w0.508: v1(81.33,17.32) 82.65,17.32 U30.5
  Top w0.635: R118.1 95.35,31.25 v1(95.35,32.33) ; v1(108.3,31.19) 108.3,28.42 ; v1(113.93,31.07) 113.93,30.08 113.94,30.07 ; v1(96.71,40.42) 97.79,40.42 97.79,42.31 ; 105.41,42.31 105.41,40 v1(106.55,40) ; v1(83.16,13.81) 83.16,12.8 ; v1(90.65,30.1) 90.65,31.21 90.65,31.21 ; v1(81.4,15.21) C89.1
+5V_EXT: length 184.2
  Top w0.254: C57.2 24.89,125.52 v1(24.89,125.57) 24.41,126.05 R12.2
  Top w0.508: U21.4 21.38,110.21 21.21,110.38 C44.1 21.59,111.34 v1(22.21,110.72) ; v1(19.5,104.33) 19.5,104.33 U21.1 ; 5.97,118.14 v1(5.97,119.86) ; v1(6.98,123.8) 4.14,123.8 4.14,126.21 v1(6.98,126.21) ; v1(9.01,120.24) 8.95,120.18 8.95,118.46 ; 3.3,118.14 v1(3.3,119.86)
  Top w0.635: v1(36.45,102.71) 38.61,102.71 ; 38.61,102.71 38.61,101.95 ; 38.61,102.71 v1(38.61,103.73) ; 38.61,102.71 v1(40.89,102.71)
  In3.Cu w0.5: 41.65,87.47 41.62,87.51 41.62,100.65 41.65,100.68 ; 44.19,73.5 44.23,73.54 44.23,84.9 44.19,84.93
  In3.Cu w0.635: 41.65,100.68 40.89,101.44 v1(40.89,102.71) ; 41.65,87.47 44.19,84.93 ; 44.19,73.5 45.97,71.73 45.97,32.99 45.34,32.36 45.34,30.2 45.84,29.69 45.84,27.15 41.78,23.08 41.78,15.85 42.54,15.08 v1(42.54,12.8)
  Bottom w0.508: 98.3,95.98 96.52,97.76 45.84,97.76 v1(40.89,102.71)
  Bottom w0.635: v1(42.54,12.8) 42.54,13.7
+5VA: length 52.5
  Top w0.254: 142.48,20.29 142.87,20.29 143.13,20.04 143.7,20.04
  Top w0.305: v1(101.34,26.39) 100.84,26.39 100.83,26.38 98.29,26.38 97.15,25.24 ; 170.43,29.99 170.43,31.28 170.37,31.34 ; 108.3,26.64 107.19,26.64 106.92,26.38 104.4,26.38 104.39,26.39 v1(103.88,26.39)
  Top w0.381: 140.53,26.13 140.53,25.05 v1(140.84,24.74) ; v1(139.88,21.81) 139.87,21.81 139.87,20.3 139.88,20.29
  Top w0.635: v1(210.08,27.99) 210.08,29.19 ; v1(141.98,14.83) R96.2 ; v1(82.42,42.18) 82.42,43.1 C96.1 ; v1(143,16.48) 144.69,16.48 F1.1 144.52,16.27 v1(144.52,14.83) ; v1(79.75,45.18) 80.26,45.69 Q4.3 85.22,45.69 v1(85.5,45.4) ; C97.1 87.96,39.83 v1(87.96,38.31) ; v1(138.68,14.83) R93.2 ; v1(85.98,30.96) 87.15,30.96 ; 87.15,30.96 v1(87.15,29.94) ; 87.15,30.96 87.11,31 87.11,32.75 U27.4 ; 170.37,31.34 v1(170.37,32.29) ; 87.89,41.75 87.91,41.77 v1(87.91,42.88) ; v1(210.69,16.35) 212.5,16.35 U12.12 ; U24.1 131.47,32.1 v1(129.25,32.1) ; v1(142.55,32.17) 143.42,32.17 143.51,32.07 144.7,32.07 144.78,32.15 ; C53.1 143.7,18.73 143.7,21.05 v1(143.63,21.05) ; v1(212.53,24.16) 212.53,21.43 ; v1(214.88,27.53) 214.88,29.87 ; 137.54,29.62 v1(137.54,30.83)
